# KiCad board FD-checkver.kicad_pcb (continued)
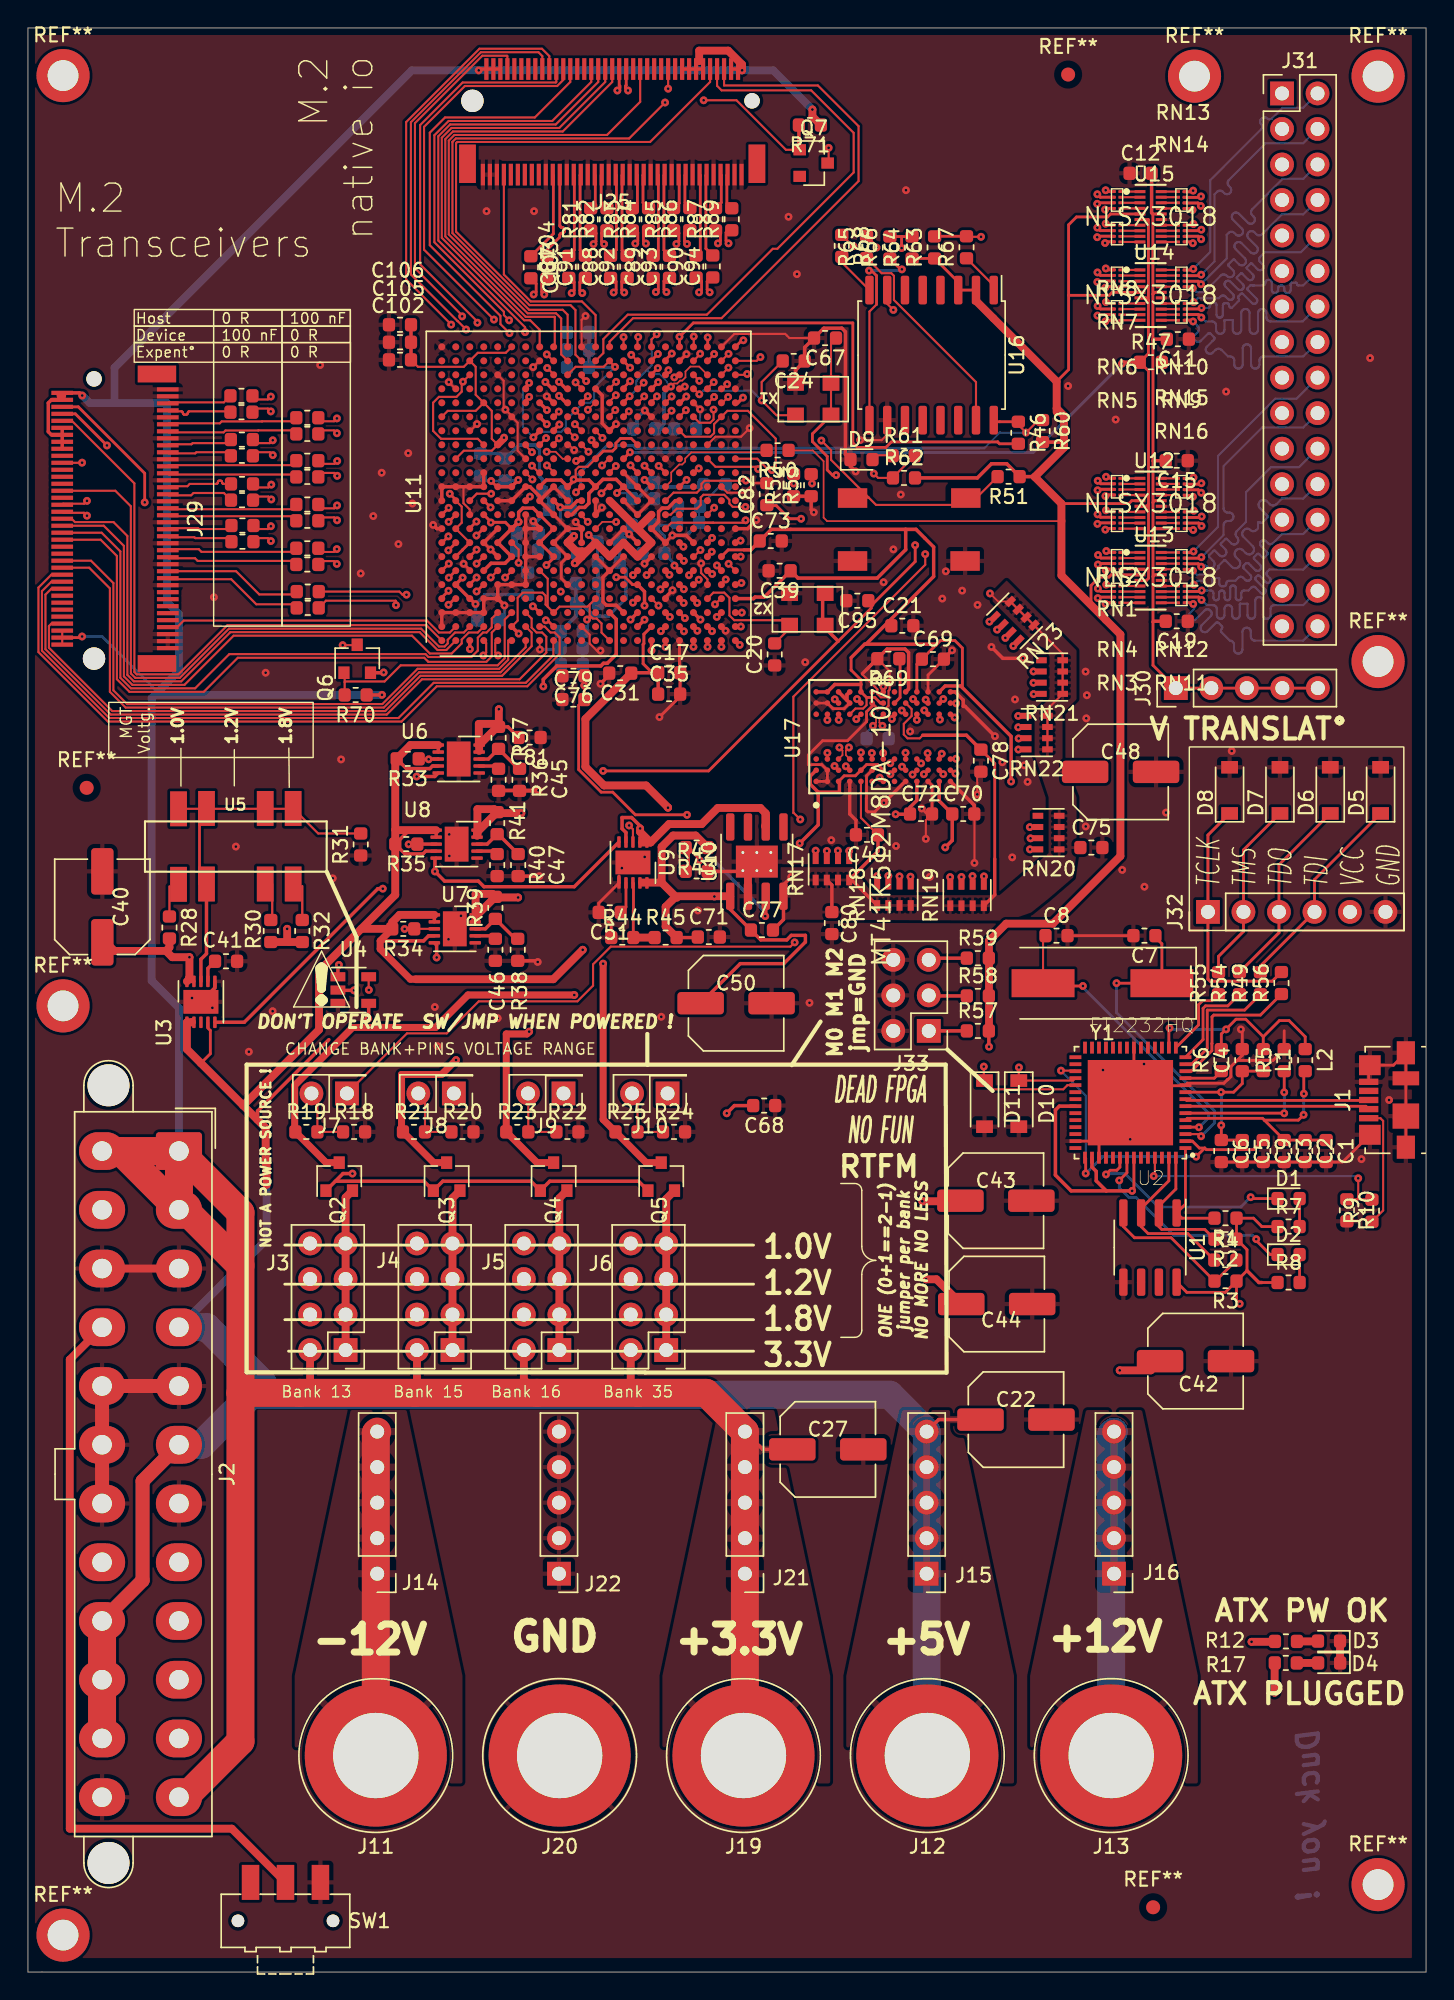
[diagram p0: board, top side]
## Routing (per net, layer and track width the routed paths; a pad name or vN(x,y) marks a point on that pad's centre or on a via; arc(x,y) is an arc through that point) (continued)
DDR_DQ3: length 33.8
  Top w0.15: v1(48.93,95.87) U11.Y2 ; U17.C8 v1(57.71,91)
  In2.Cu_SigDDR w0.15: v1(57.71,91) 56.81,91 56.77,91.01 56.72,91.02 56.69,91.04 56.65,91.08 56.63,91.11 56.62,91.16 56.61,91.2 56.61,91.69 56.6,91.74 56.59,91.78 56.57,91.82 56.53,91.85 56.5,91.87 56.45,91.89 56.41,91.89 56.37,91.89 56.32,91.87 56.29,91.85 56.25,91.82 56.23,91.78 56.22,91.74 56.21,91.69 56.21,90.9 56.21,90.88 56.2,90.86 56.19,90.84 56.17,90.83 56.15,90.81 56.13,90.81 56.11,90.81 55.91,90.81 55.89,90.81 55.87,90.81 55.85,90.83 55.83,90.84 55.82,90.86 55.81,90.88 55.81,90.9 55.81,91.69 55.8,91.74 55.79,91.78 55.77,91.82 55.73,91.85 55.7,91.87 55.65,91.89 55.61,91.89 55.57,91.89 55.52,91.87 55.49,91.85 55.45,91.82 55.43,91.78 55.42,91.74 55.41,91.69 55.41,90.9 55.41,90.88 55.4,90.86 55.39,90.84 55.37,90.83 55.35,90.81 55.33,90.81 55.31,90.81 55.11,90.81 55.09,90.81 55.07,90.81 55.05,90.83 55.03,90.84 55.02,90.86 55.01,90.88 55.01,90.9 55.01,91.69 55,91.74 54.99,91.78 54.97,91.82 54.93,91.85 54.9,91.87 54.85,91.89 54.81,91.89 54.77,91.89 54.72,91.87 54.69,91.85 54.65,91.82 54.63,91.78 54.62,91.74 54.61,91.69 54.61,91 54.61,91 54.61,90.9 54.6,90.88 54.6,90.86 54.59,90.84 54.57,90.83 54.55,90.81 54.53,90.81 54.51,90.81 54.3,90.81 54.28,90.81 54.26,90.81 54.24,90.83 54.23,90.84 54.22,90.86 54.21,90.88 54.2,90.92 54.2,90.94 54.19,90.96 54.17,90.98 54.15,90.99 54.13,91 54.11,91 54.06,91 53.69,91.37 53.66,91.4 53.62,91.42 53.57,91.43 53.53,91.43 53.48,91.42 53.44,91.4 53.41,91.37 53.09,91.05 53.06,91.03 53.02,91.01 52.97,91 52.93,91 52.89,91.01 52.85,91.03 52.81,91.05 52.78,91.09 52.76,91.13 52.75,91.17 52.75,91.22 52.76,91.26 52.78,91.3 52.81,91.34 53.76,92.28 53.79,92.32 53.8,92.36 53.81,92.4 53.81,92.45 53.8,92.49 53.79,92.53 53.76,92.57 53.72,92.6 53.68,92.62 53.64,92.62 53.59,92.62 53.55,92.62 53.51,92.6 53.47,92.57 52.53,91.62 52.49,91.59 52.45,91.57 52.41,91.56 52.36,91.56 52.32,91.57 52.28,91.59 52.24,91.62 52.22,91.66 52.2,91.7 52.19,91.74 52.19,91.78 52.2,91.83 52.22,91.87 52.24,91.9 53.19,92.85 53.22,92.89 53.24,92.93 53.25,92.97 53.25,93.01 53.24,93.06 53.22,93.1 53.19,93.13 53.16,93.16 53.12,93.18 53.07,93.19 53.03,93.19 52.98,93.18 52.94,93.16 52.91,93.13 51.96,92.19 51.93,92.16 51.89,92.14 51.84,92.13 51.8,92.13 51.75,92.14 51.71,92.16 51.68,92.19 51.65,92.22 51.63,92.26 51.62,92.31 51.62,92.35 51.63,92.39 51.65,92.43 51.68,92.47 52.63,93.42 52.65,93.45 52.67,93.49 52.68,93.54 52.68,93.58 52.67,93.62 52.65,93.66 52.63,93.7 52.59,93.73 52.55,93.75 52.51,93.76 52.46,93.76 52.42,93.75 52.38,93.73 52.34,93.7 51.4,92.75 51.36,92.72 51.32,92.7 51.28,92.69 51.23,92.69 51.19,92.7 51.15,92.72 51.11,92.75 51.09,92.79 51.07,92.83 51.06,92.87 51.06,92.92 51.07,92.96 51.09,93 51.11,93.03 52.06,93.98 52.09,94.02 52.11,94.06 52.12,94.1 52.12,94.15 52.11,94.19 52.09,94.23 52.06,94.26 52.03,94.29 51.99,94.31 51.94,94.32 51.9,94.32 51.85,94.31 51.81,94.29 51.78,94.26 50.83,93.32 50.8,93.29 50.76,93.27 50.71,93.26 50.67,93.26 50.62,93.27 50.58,93.29 50.55,93.32 50.52,93.35 50.5,93.39 50.49,93.44 50.49,93.48 50.5,93.53 50.52,93.57 50.55,93.6 51.07,94.13 51.09,94.14 51.1,94.16 51.1,94.18 51.1,94.2 51.1,94.23 51.09,94.25 51.07,94.26 50.93,94.41 50.91,94.42 50.89,94.43 50.87,94.44 50.85,94.44 50.83,94.43 50.81,94.42 50.79,94.41 50.26,93.88 50.23,93.86 50.19,93.84 50.15,93.83 50.1,93.83 50.06,93.84 50.02,93.86 49.98,93.88 49.95,93.92 49.93,93.96 49.92,94 49.92,94.05 49.93,94.09 49.95,94.13 49.98,94.17 50.47,94.66 50.48,94.67 50.49,94.68 50.49,94.69 50.49,94.7 50.49,94.71 50.48,94.72 50.47,94.73 50.26,94.94 50.25,94.95 50.24,94.95 50.23,94.95 50.22,94.95 50.21,94.95 50.2,94.95 50.18,94.93 50.17,94.93 50.16,94.93 50.15,94.93 50.14,94.93 50.13,94.93 50.12,94.94 50.1,94.96 50.09,94.99 50.08,95.01 50.08,95.04 50.09,95.07 50.1,95.09 50.13,95.14 50.15,95.16 50.15,95.19 50.15,95.22 50.15,95.24 50.13,95.27 50.12,95.29 50.01,95.4 49.99,95.42 49.96,95.43 49.94,95.43 49.91,95.43 49.88,95.43 49.86,95.42 49.84,95.4 49.75,95.31 49.75,95.31 49.68,95.24 49.66,95.23 49.64,95.22 49.62,95.22 49.6,95.22 49.58,95.22 49.56,95.23 49.54,95.24 49.39,95.39 49.38,95.41 49.37,95.43 49.37,95.45 49.37,95.47 49.37,95.49 49.38,95.51 49.41,95.54 49.42,95.56 49.42,95.59 49.42,95.61 49.42,95.63 49.41,95.65 49.4,95.67 49.19,95.87 v1(48.93,95.87)
DDR_DQ4: length 35
  Top w0.15: U17.E3 v1(59.58,87.2)
  In4.Cu_SigDDR w0.15: v1(46.92,95.86) 46.84,95.86 46.53,95.55 46.53,95.47 46.53,95.44 46.52,95.42 46.5,95.39 46.48,95.38 46.46,95.36 46.44,95.35 46.38,95.35 46.36,95.34 46.33,95.32 46.32,95.3 46.3,95.28 46.29,95.26 46.29,95.23 46.29,95.12 46.29,95.09 46.3,95.07 46.32,95.04 46.33,95.03 46.36,95.01 46.38,95 46.41,95 46.53,95 46.53,95 46.95,95 46.98,94.99 47.02,94.98 47.06,94.96 47.08,94.93 47.1,94.9 47.12,94.86 47.12,94.82 47.12,94.78 47.1,94.74 47.08,94.71 47.06,94.68 47.02,94.66 46.98,94.65 46.95,94.64 46.43,94.64 46.41,94.64 46.39,94.64 46.37,94.62 46.36,94.61 46.35,94.59 46.34,94.57 46.34,94.55 46.34,94.39 46.34,94.37 46.35,94.35 46.36,94.33 46.37,94.32 46.39,94.3 46.41,94.3 46.43,94.3 47,94.3 47.03,94.29 47.07,94.28 47.11,94.26 47.13,94.23 47.15,94.2 47.17,94.16 47.17,94.12 47.17,94.08 47.15,94.04 47.13,94.01 47.11,93.98 47.07,93.96 47.03,93.95 47,93.94 45.91,93.94 45.88,93.94 45.84,93.93 45.8,93.91 45.78,93.88 45.76,93.85 45.74,93.81 45.74,93.77 45.74,93.73 45.76,93.69 45.78,93.66 45.8,93.63 45.84,93.61 45.88,93.6 45.91,93.59 46.8,93.59 46.83,93.59 46.87,93.58 46.91,93.56 46.93,93.53 46.95,93.5 46.97,93.46 46.97,93.42 46.97,93.38 46.95,93.34 46.93,93.31 46.91,93.28 46.87,93.26 46.83,93.25 46.8,93.25 45.81,93.25 45.78,93.24 45.74,93.23 45.7,93.21 45.68,93.18 45.66,93.15 45.64,93.11 45.64,93.07 45.64,93.03 45.66,92.99 45.68,92.96 45.7,92.93 45.74,92.91 45.78,92.9 45.81,92.89 46.35,92.89 46.39,92.89 46.43,92.88 46.46,92.86 46.49,92.83 46.51,92.8 46.53,92.76 46.53,92.72 46.53,92.68 46.51,92.64 46.49,92.61 46.46,92.58 46.43,92.56 46.39,92.55 46.35,92.55 46.01,92.55 45.98,92.54 45.94,92.53 45.9,92.51 45.88,92.48 45.86,92.45 45.84,92.41 45.84,92.37 45.84,92.33 45.86,92.29 45.88,92.26 45.9,92.23 45.94,92.21 45.98,92.2 46.01,92.19 46.65,92.19 46.68,92.19 46.7,92.18 46.73,92.17 46.74,92.15 46.76,92.13 46.77,92.1 46.77,92.07 46.77,91.97 46.77,91.94 46.76,91.91 46.74,91.89 46.73,91.87 46.7,91.86 46.68,91.85 46.62,91.84 46.6,91.83 46.58,91.82 46.56,91.8 46.54,91.78 46.53,91.75 46.53,91.72 46.53,91.18 46.55,91.15 46.56,91.13 46.57,91.09 46.57,91.06 46.56,91.03 46.55,91 46.51,90.95 46.5,90.92 46.49,90.89 46.49,90.86 46.5,90.82 46.51,90.79 46.53,90.77 46.57,90.73 46.6,90.71 46.63,90.69 46.66,90.69 46.69,90.69 46.72,90.69 46.75,90.71 46.78,90.73 46.88,90.83 46.88,90.83 47.14,91.09 47.17,91.11 47.21,91.13 47.25,91.14 47.29,91.14 47.32,91.13 47.36,91.11 47.39,91.09 47.41,91.05 47.43,91.02 47.44,90.98 47.44,90.94 47.43,90.9 47.41,90.87 47.39,90.84 47.03,90.48 47.01,90.45 46.99,90.42 46.99,90.39 46.99,90.36 46.99,90.33 47.01,90.3 47.03,90.27 47.07,90.23 47.1,90.21 47.12,90.19 47.16,90.19 47.19,90.19 47.22,90.19 47.25,90.21 47.3,90.25 47.33,90.26 47.36,90.27 47.39,90.27 47.43,90.26 47.46,90.25 47.48,90.23 47.48,90.23 47.5,90.2 47.52,90.17 47.53,90.14 47.53,90.11 47.52,90.07 47.5,90.05 47.46,89.99 47.45,89.96 47.44,89.93 47.44,89.9 47.45,89.87 47.46,89.84 47.48,89.81 47.53,89.77 47.55,89.75 47.58,89.74 47.61,89.73 47.65,89.73 47.68,89.74 47.71,89.75 47.76,89.79 47.79,89.81 47.82,89.81 47.85,89.81 47.88,89.81 47.91,89.79 47.94,89.77 47.98,89.73 48,89.7 48.01,89.68 48.02,89.64 48.02,89.61 48.01,89.58 48,89.55 47.96,89.5 47.95,89.47 47.94,89.44 47.94,89.41 47.95,89.37 47.96,89.34 47.98,89.32 48.02,89.28 48.05,89.26 48.08,89.24 48.11,89.24 48.14,89.24 48.17,89.24 48.2,89.26 48.25,89.3 48.28,89.31 48.31,89.32 48.35,89.32 48.38,89.31 48.41,89.3 48.43,89.28 48.47,89.24 48.49,89.22 48.5,89.2 48.5,89.18 48.5,89.16 48.5,89.14 48.49,89.12 48.46,89.08 48.45,89.06 48.45,89.04 48.45,89.02 48.45,89 48.46,88.98 48.47,88.97 48.59,88.85 48.6,88.84 48.62,88.83 48.64,88.83 48.67,88.83 48.69,88.83 48.71,88.84 48.74,88.87 48.76,88.88 48.78,88.88 48.8,88.88 48.82,88.88 48.84,88.87 48.86,88.85 49.7,88.01 49.74,88 49.78,87.99 49.81,87.97 49.84,87.94 49.86,87.91 49.88,87.87 49.88,87.83 49.88,87.59 49.88,87.55 49.9,87.51 49.92,87.48 49.95,87.45 49.98,87.43 50.02,87.42 50.05,87.41 50.09,87.42 50.13,87.43 50.16,87.45 50.19,87.48 50.21,87.51 50.23,87.55 50.23,87.59 50.23,88.1 50.23,88.12 50.24,88.14 50.25,88.16 50.27,88.18 50.28,88.19 50.3,88.19 50.33,88.2 50.48,88.2 50.51,88.19 50.53,88.19 50.54,88.18 50.56,88.16 50.57,88.14 50.58,88.12 50.58,88.1 50.58,87.74 50.58,87.7 50.6,87.66 50.62,87.63 50.65,87.6 50.68,87.58 50.72,87.57 50.75,87.56 50.79,87.57 50.83,87.58 50.86,87.6 50.89,87.63 50.91,87.66 50.93,87.7 50.93,87.74 50.93,87.83 50.93,87.87 50.95,87.91 50.97,87.94 51,87.97 51.03,87.99 51.07,88 51.1,88.01 51.14,88 51.18,87.99 51.21,87.97 51.24,87.94 51.26,87.91 51.28,87.87 51.28,87.83 51.28,87.64 51.28,87.6 51.3,87.56 51.32,87.53 51.35,87.5 51.38,87.48 51.42,87.47 51.45,87.46 51.49,87.47 51.53,87.48 51.56,87.5 51.59,87.53 51.61,87.56 51.63,87.6 51.63,87.64 51.63,87.83 51.63,87.87 51.65,87.91 51.67,87.94 51.7,87.97 51.73,87.99 51.77,88 51.8,88.01 51.84,88 51.88,87.99 51.91,87.97 51.94,87.94 51.96,87.91 51.98,87.87 51.98,87.83 51.98,87.74 51.98,87.7 52,87.66 52.02,87.63 52.05,87.6 52.08,87.58 52.12,87.57 52.15,87.56 52.19,87.57 52.23,87.58 52.26,87.6 52.29,87.63 52.31,87.66 52.33,87.7 52.33,87.74 52.33,87.83 52.33,87.87 52.35,87.91 52.37,87.94 52.4,87.97 52.43,87.99 52.47,88 52.5,88.01 52.54,88 52.58,87.99 52.61,87.97 52.64,87.94 52.66,87.91 52.68,87.87 52.68,87.83 52.68,87.59 52.68,87.55 52.7,87.51 52.72,87.48 52.75,87.45 52.78,87.43 52.82,87.42 52.85,87.41 52.89,87.42 52.93,87.43 52.96,87.45 52.99,87.48 53.01,87.51 53.03,87.55 53.03,87.59 53.03,87.83 53.03,87.87 53.05,87.91 53.07,87.94 53.1,87.97 53.13,87.99 53.17,88 53.2,88.01 59.17,88.01 59.58,87.6 v1(59.58,87.2)
DDR_DQ5: length 32.6
  Top w0.15: v1(48.61,94.75) 48.61,95.19 ; 59.58,90.74 59.28,91.04
  In2.Cu_SigDDR w0.15: v1(48.61,94.75) 48.61,94.65 48.77,94.49 48.79,94.46 48.81,94.43 48.81,94.4 48.81,94.37 48.81,94.33 48.79,94.3 48.77,94.28 48.35,93.85 48.33,93.83 48.31,93.8 48.3,93.76 48.3,93.73 48.31,93.7 48.33,93.67 48.35,93.64 48.37,93.62 48.4,93.61 48.44,93.6 48.47,93.6 48.5,93.61 48.53,93.62 48.56,93.64 49.23,94.31 49.26,94.33 49.29,94.35 49.32,94.36 49.35,94.36 49.38,94.35 49.41,94.33 49.44,94.31 49.46,94.29 49.48,94.26 49.48,94.22 49.48,94.19 49.48,94.16 49.46,94.13 49.44,94.1 48.7,93.36 48.68,93.33 48.66,93.3 48.66,93.27 48.66,93.24 48.66,93.2 48.68,93.17 48.7,93.15 48.73,93.13 48.76,93.11 48.79,93.1 48.82,93.1 48.86,93.11 48.89,93.13 48.91,93.15 49.57,93.8 49.58,93.81 49.59,93.82 49.61,93.82 49.63,93.82 49.64,93.82 49.66,93.81 49.67,93.8 49.78,93.69 49.79,93.68 49.79,93.67 49.8,93.65 49.8,93.63 49.79,93.62 49.79,93.6 49.78,93.59 49.02,92.83 49,92.8 48.98,92.77 48.98,92.74 48.98,92.71 48.98,92.67 49,92.64 49.02,92.62 49.04,92.6 49.07,92.58 49.11,92.57 49.14,92.57 49.17,92.58 49.2,92.6 49.23,92.62 50.01,93.39 50.02,93.41 50.04,93.42 50.07,93.42 50.09,93.42 50.11,93.42 50.13,93.41 50.15,93.39 50.22,93.32 50.23,93.3 50.24,93.28 50.25,93.26 50.25,93.24 50.24,93.22 50.23,93.2 50.22,93.18 49.44,92.4 49.42,92.38 49.41,92.35 49.4,92.32 49.4,92.28 49.41,92.25 49.42,92.22 49.44,92.19 49.47,92.17 49.5,92.16 49.53,92.15 49.57,92.15 49.6,92.16 49.63,92.17 49.65,92.19 50.45,92.99 50.47,93 50.5,93.02 50.52,93.02 50.55,93.02 50.58,93.02 50.6,93 50.63,92.99 50.66,92.95 50.68,92.93 50.69,92.9 50.7,92.88 50.7,92.85 50.69,92.82 50.68,92.8 50.66,92.77 49.87,91.98 49.85,91.95 49.83,91.92 49.82,91.89 49.82,91.86 49.83,91.82 49.85,91.79 49.87,91.77 49.89,91.75 49.92,91.73 49.96,91.73 49.99,91.73 50.02,91.73 50.05,91.75 50.08,91.77 50.84,92.53 50.85,92.54 50.87,92.55 50.88,92.55 50.9,92.55 50.92,92.55 50.93,92.54 50.94,92.53 51.05,92.42 51.06,92.41 51.07,92.39 51.07,92.38 51.07,92.36 51.07,92.34 51.06,92.33 51.05,92.32 50.29,91.56 50.27,91.53 50.26,91.5 50.25,91.47 50.25,91.43 50.26,91.4 50.27,91.37 50.29,91.34 50.32,91.32 50.35,91.31 50.38,91.3 50.41,91.3 50.45,91.31 50.48,91.32 50.5,91.34 51.26,92.1 51.28,92.11 51.29,92.12 51.31,92.12 51.32,92.12 51.34,92.12 51.35,92.11 51.37,92.1 51.47,92 51.48,91.98 51.49,91.97 51.5,91.95 51.5,91.94 51.49,91.92 51.48,91.9 51.47,91.89 50.72,91.13 50.69,91.11 50.68,91.08 50.67,91.04 50.67,91.01 50.68,90.98 50.69,90.95 50.72,90.92 50.74,90.9 50.77,90.88 50.8,90.88 50.84,90.88 50.87,90.88 50.9,90.9 50.93,90.92 51.7,91.7 51.72,91.71 51.74,91.72 51.76,91.73 51.79,91.73 51.81,91.72 51.83,91.71 51.85,91.7 51.92,91.63 51.93,91.61 51.94,91.59 51.94,91.57 51.94,91.54 51.94,91.52 51.93,91.5 51.9,91.47 51.89,91.45 51.89,91.43 51.89,91.4 51.89,91.38 51.9,91.36 51.92,91.34 52.17,91.09 52.4,91.09 52.94,90.55 52.97,90.55 52.99,90.56 53.02,90.58 53.04,90.6 53.05,90.62 53.06,90.65 53.07,90.7 53.08,90.73 53.09,90.75 53.11,90.77 53.14,90.79 53.16,90.8 53.19,90.8 53.24,90.8 53.27,90.8 53.29,90.79 53.32,90.77 53.34,90.75 53.35,90.73 53.36,90.7 53.36,90.67 53.36,90.55 53.37,90.55 53.37,90.45 53.37,90.43 53.37,90.41 53.39,90.39 53.4,90.37 53.42,90.36 53.44,90.35 53.46,90.35 53.57,90.35 53.59,90.35 53.61,90.36 53.63,90.37 53.64,90.39 53.66,90.41 53.66,90.43 53.67,90.45 53.67,90.67 53.67,90.7 53.68,90.73 53.69,90.75 53.71,90.77 53.74,90.79 53.76,90.8 53.79,90.8 53.84,90.8 53.87,90.8 53.89,90.79 53.92,90.77 53.94,90.75 53.95,90.73 53.96,90.7 53.97,90.67 53.97,90.45 53.97,90.43 53.97,90.41 53.99,90.39 54,90.37 54.02,90.36 54.04,90.35 54.06,90.35 54.17,90.35 54.19,90.35 54.21,90.36 54.23,90.37 54.24,90.39 54.26,90.41 54.26,90.43 54.27,90.47 54.27,90.49 54.29,90.51 54.3,90.53 54.32,90.54 54.34,90.55 54.37,90.55 54.39,90.55 54.41,90.54 54.43,90.53 54.44,90.51 54.45,90.49 54.46,90.47 54.47,90.43 54.47,90.41 54.49,90.39 54.5,90.37 54.52,90.36 54.54,90.35 54.56,90.35 54.67,90.35 54.69,90.35 54.71,90.36 54.73,90.37 54.74,90.39 54.75,90.41 54.76,90.43 54.77,90.47 54.77,90.49 54.79,90.51 54.8,90.53 54.82,90.54 54.84,90.55 54.86,90.55 54.97,90.55 54.99,90.55 55.01,90.54 55.03,90.53 55.04,90.51 55.05,90.49 55.06,90.47 55.07,90.43 55.07,90.41 55.09,90.39 55.1,90.37 55.12,90.36 55.14,90.35 55.16,90.35 55.27,90.35 55.29,90.35 55.31,90.36 55.33,90.37 55.34,90.39 55.35,90.41 55.36,90.43 55.37,90.47 55.37,90.49 55.39,90.51 55.4,90.53 55.42,90.54 55.44,90.55 55.46,90.55 55.57,90.55 55.59,90.55 55.61,90.54 55.63,90.53 55.64,90.51 55.65,90.49 55.66,90.47 55.67,90.43 55.67,90.41 55.69,90.39 55.7,90.37 55.72,90.36 55.74,90.35 55.76,90.35 55.87,90.35 55.89,90.35 55.91,90.36 55.93,90.37 55.94,90.39 55.95,90.41 55.96,90.43 55.97,90.47 55.97,90.49 55.99,90.51 56,90.53 56.02,90.54 56.04,90.55 56.06,90.55 56.17,90.55 56.19,90.55 56.21,90.54 56.23,90.53 56.24,90.51 56.25,90.49 56.26,90.47 56.27,90.43 56.27,90.41 56.29,90.39 56.3,90.37 56.32,90.36 56.34,90.35 56.36,90.35 56.47,90.35 56.49,90.35 56.51,90.36 56.53,90.37 56.54,90.39 56.55,90.41 56.56,90.43 56.56,90.45 56.56,90.55 56.57,90.55 56.57,90.65 56.57,90.67 56.57,90.69 56.59,90.71 56.6,90.73 56.62,90.74 56.64,90.75 56.66,90.75 56.77,90.75 56.79,90.75 56.81,90.74 56.83,90.73 56.84,90.71 56.86,90.69 56.86,90.67 56.87,90.63 56.87,90.61 56.89,90.59 56.9,90.57 56.92,90.56 56.94,90.55 56.96,90.55 58.79,90.55 59.28,91.04
  vias: v1(59.3,91.02)
DDR_DQ6: length 35.6
  Top w0.15: 58.78,85.95 58.5,86.23 ; U11.U1 v1(45.6,94.74)
  In4.Cu_SigDDR w0.15: v1(45.6,94.74) 44.54,93.68 44.54,92.81 44.53,92.74 44.51,92.69 44.51,91.85 44.88,91.49 44.85,91.46 44.85,90.92 45.87,89.9 45.9,89.86 45.92,89.82 45.93,89.77 45.93,89.72 45.92,89.67 45.9,89.62 45.87,89.58 45.49,89.21 45.46,89.17 45.44,89.12 45.43,89.07 45.43,89.02 45.44,88.97 45.46,88.93 45.49,88.89 45.53,88.86 45.58,88.84 45.63,88.82 45.68,88.82 45.72,88.84 45.77,88.86 45.81,88.89 46.19,89.27 46.23,89.3 46.27,89.32 46.32,89.33 46.37,89.33 46.42,89.32 46.47,89.3 46.5,89.27 46.54,89.23 46.56,89.18 46.57,89.13 46.57,89.08 46.56,89.03 46.54,88.99 46.5,88.95 46.16,88.61 46.13,88.57 46.11,88.52 46.1,88.47 46.1,88.42 46.11,88.37 46.13,88.33 46.16,88.29 46.2,88.26 46.25,88.23 46.3,88.22 46.35,88.22 46.4,88.23 46.44,88.26 46.48,88.29 46.82,88.63 46.86,88.66 46.91,88.68 46.96,88.69 47.01,88.69 47.06,88.68 47.1,88.66 47.14,88.63 47.17,88.59 47.19,88.54 47.21,88.5 47.21,88.44 47.19,88.4 47.17,88.35 47.14,88.31 46.84,88.01 46.8,87.97 46.78,87.92 46.77,87.87 46.77,87.82 46.78,87.77 46.8,87.73 46.84,87.69 46.87,87.66 46.92,87.63 46.97,87.62 47.02,87.62 47.07,87.63 47.11,87.66 47.15,87.69 47.46,87.99 47.5,88.02 47.54,88.05 47.59,88.06 47.64,88.06 47.69,88.05 47.74,88.02 47.78,87.99 47.81,87.95 47.83,87.91 47.84,87.86 47.84,87.81 47.83,87.76 47.81,87.71 47.78,87.67 47.47,87.37 47.44,87.33 47.42,87.28 47.41,87.23 47.41,87.18 47.42,87.14 47.44,87.09 47.47,87.05 47.51,87.02 47.56,87 47.61,86.99 47.66,86.99 47.7,87 47.75,87.02 47.79,87.05 48.1,87.36 48.13,87.39 48.18,87.41 48.23,87.42 48.28,87.42 48.33,87.41 48.37,87.39 48.41,87.36 48.45,87.32 48.47,87.27 48.48,87.22 48.48,87.17 48.47,87.12 48.45,87.08 48.41,87.04 48.04,86.66 48.01,86.62 47.98,86.58 47.97,86.53 47.97,86.48 47.98,86.43 48.01,86.38 48.04,86.34 48.08,86.31 48.12,86.29 48.17,86.28 48.22,86.28 48.27,86.29 48.32,86.31 48.36,86.34 48.73,86.72 48.77,86.75 48.82,86.77 48.87,86.78 48.92,86.78 48.97,86.77 49.01,86.75 49.05,86.72 50.38,86.72 50.43,86.71 50.48,86.7 50.52,86.67 50.56,86.64 50.58,86.59 50.6,86.55 50.61,86.49 50.61,86.31 50.61,86.26 50.63,86.21 50.65,86.17 50.69,86.14 50.73,86.11 50.78,86.09 50.83,86.09 50.88,86.09 50.93,86.11 50.97,86.14 51.01,86.17 51.03,86.21 51.05,86.26 51.06,86.31 51.06,86.49 51.06,86.55 51.08,86.59 51.1,86.64 51.14,86.67 51.18,86.7 51.23,86.71 51.28,86.72 51.33,86.71 51.38,86.7 51.42,86.67 51.46,86.64 51.48,86.59 51.5,86.55 51.51,86.49 51.51,86.21 51.51,86.16 51.53,86.11 51.55,86.07 51.59,86.04 51.63,86.01 51.68,85.99 51.73,85.99 51.78,85.99 51.83,86.01 51.87,86.04 51.91,86.07 51.93,86.11 51.95,86.16 51.96,86.21 51.96,86.49 51.96,86.55 51.98,86.59 52,86.64 52.04,86.67 52.08,86.7 52.13,86.71 52.18,86.72 52.23,86.71 52.28,86.7 52.32,86.67 52.36,86.64 52.38,86.59 52.4,86.55 52.41,86.49 52.41,86.21 52.41,86.16 52.43,86.11 52.45,86.07 52.49,86.04 52.53,86.01 52.58,85.99 52.63,85.99 52.68,85.99 52.73,86.01 52.77,86.04 52.81,86.07 52.83,86.11 52.85,86.16 52.86,86.21 52.86,86.49 52.86,86.55 52.88,86.59 52.9,86.64 52.94,86.67 52.98,86.7 53.03,86.71 53.08,86.72 53.13,86.71 53.18,86.7 53.22,86.67 53.26,86.64 53.28,86.59 53.3,86.55 53.31,86.49 53.31,86.21 53.31,86.16 53.33,86.11 53.35,86.07 53.39,86.04 53.43,86.01 53.48,85.99 53.53,85.99 53.58,85.99 53.63,86.01 53.67,86.04 53.71,86.07 53.73,86.11 53.75,86.16 53.76,86.21 53.76,86.49 53.76,86.55 53.78,86.59 53.8,86.64 53.84,86.67 53.88,86.7 53.93,86.71 53.98,86.72 54.03,86.71 54.08,86.7 54.12,86.67 54.16,86.64 54.18,86.59 54.2,86.55 54.21,86.49 54.21,86.21 54.21,86.16 54.23,86.11 54.25,86.07 54.29,86.04 54.33,86.01 54.38,85.99 54.43,85.99 54.48,85.99 54.53,86.01 54.57,86.04 54.61,86.07 54.63,86.11 54.65,86.16 54.66,86.21 54.66,86.49 54.66,86.55 54.68,86.59 54.7,86.64 54.74,86.67 54.78,86.7 54.83,86.71 54.88,86.72 54.93,86.71 54.98,86.7 55.02,86.67 55.06,86.64 55.08,86.59 55.1,86.55 55.11,86.49 55.11,86.21 55.11,86.16 55.13,86.11 55.15,86.07 55.19,86.04 55.23,86.01 55.28,85.99 55.33,85.99 55.38,85.99 55.43,86.01 55.47,86.04 55.51,86.07 55.53,86.11 55.55,86.16 55.56,86.21 55.56,86.49 55.56,86.55 55.58,86.59 55.6,86.64 55.64,86.67 55.68,86.7 55.73,86.71 55.78,86.72 55.83,86.71 55.88,86.7 55.92,86.67 55.96,86.64 55.98,86.59 56,86.55 56.01,86.49 56.01,86.21 56.01,86.16 56.03,86.11 56.05,86.07 56.09,86.04 56.13,86.01 56.18,85.99 56.23,85.99 56.28,85.99 56.33,86.01 56.37,86.04 56.41,86.07 56.43,86.11 56.45,86.16 56.46,86.21 56.46,86.49 56.46,86.55 56.48,86.59 56.5,86.64 56.54,86.67 56.58,86.7 56.63,86.71 56.68,86.72 56.95,86.72 56.97,86.7 58.03,86.7 58.5,86.23
  vias: v1(58.5,86.21)
DDR_DQ7: length 33.6
  Top w0.15: v1(47.88,95.9) 47.88,95.92 U11.W2 ; 59.56,89.93 59.28,89.65
  In2.Cu_SigDDR w0.15: 59.24,89.58 58.6,90.22 56.75,90.22 56.59,90.06 55.71,90.06 55.68,90.06 55.65,90.05 55.62,90.03 55.59,90 55.58,89.98 55.57,89.94 55.56,89.91 55.56,89.86 55.56,89.83 55.55,89.8 55.53,89.77 55.5,89.74 55.48,89.73 55.44,89.71 55.41,89.71 55.38,89.71 55.35,89.73 55.32,89.74 55.29,89.77 55.28,89.8 55.27,89.83 55.26,89.86 55.26,89.91 55.26,89.94 55.25,89.98 55.23,90 55.2,90.03 55.18,90.05 55.14,90.06 55.11,90.06 54.91,90.06 54.9,90.06 54.89,90.06 54.88,90.05 54.87,90.04 54.87,90.03 54.86,90.02 54.86,90 54.86,89.99 54.85,89.98 54.84,89.97 54.83,89.96 54.82,89.96 54.81,89.96 54.61,89.96 54.6,89.96 54.59,89.96 54.58,89.97 54.57,89.98 54.57,89.99 54.56,90 54.56,90.02 54.56,90.03 54.55,90.04 54.54,90.05 54.53,90.06 54.52,90.06 54.51,90.06 54.11,90.06 54.09,90.06 54.07,90.05 54.05,90.04 54.03,90.02 54.02,90 54.01,89.98 54.01,89.94 54,89.92 53.99,89.9 53.97,89.88 53.95,89.87 53.93,89.86 53.91,89.86 53.81,89.86 53.79,89.86 53.77,89.87 53.75,89.88 53.73,89.9 53.72,89.92 53.71,89.94 53.71,89.98 53.7,90 53.69,90.02 53.67,90.04 53.65,90.05 53.63,90.06 53.61,90.06 53.58,90.06 53.55,90.05 53.52,90.03 53.49,90 53.48,89.98 53.47,89.94 53.46,89.91 53.46,89.86 53.46,89.83 53.45,89.8 53.43,89.77 53.4,89.74 53.38,89.73 53.34,89.71 53.31,89.71 53.28,89.71 53.25,89.73 53.22,89.74 53.19,89.77 53.18,89.8 53.17,89.83 53.16,89.86 53.16,90.16 53.16,90.18 53.15,90.2 53.14,90.22 53.12,90.24 53.1,90.25 53.08,90.26 53.06,90.26 52.96,90.26 52.94,90.26 52.92,90.25 52.9,90.24 52.88,90.22 52.87,90.2 52.86,90.18 52.86,90.16 52.86,89.86 52.86,89.83 52.85,89.8 52.83,89.77 52.8,89.74 52.78,89.73 52.74,89.71 52.71,89.71 52.68,89.71 52.65,89.73 52.62,89.74 52.59,89.77 52.58,89.8 52.57,89.83 52.56,89.86 52.56,90.51 52.56,90.54 52.55,90.57 52.53,90.6 52.5,90.63 52.48,90.64 52.44,90.66 52.41,90.66 52.38,90.66 52.35,90.64 52.32,90.63 52.29,90.6 52.28,90.57 52.27,90.54 52.26,90.51 52.26,89.86 52.26,89.83 52.25,89.8 52.23,89.77 52.2,89.74 52.18,89.73 52.14,89.71 52.11,89.71 52.08,89.71 52.05,89.73 52.02,89.74 51.99,89.77 51.98,89.8 51.97,89.83 51.96,89.86 51.96,90.86 51.96,90.89 51.95,90.92 51.93,90.95 51.9,90.98 51.88,90.99 51.84,91.01 51.81,91.01 51.78,91.01 51.75,90.99 51.72,90.98 51.69,90.95 51.68,90.92 51.67,90.89 51.66,90.86 51.66,89.86 51.66,89.83 51.65,89.8 51.63,89.77 51.6,89.74 51.58,89.73 51.54,89.71 51.51,89.71 51.48,89.71 51.45,89.73 51.42,89.74 51.39,89.77 51.38,89.8 51.37,89.83 51.36,89.86 51.36,89.91 51.36,89.94 51.35,89.98 51.33,90 51.3,90.03 51.28,90.05 51.24,90.06 51.21,90.06 50.6,90.68 50.57,90.7 50.54,90.71 50.51,90.72 50.47,90.72 50.44,90.71 50.41,90.7 50.38,90.68 49.89,90.18 49.86,90.16 49.83,90.15 49.8,90.14 49.77,90.14 49.73,90.15 49.7,90.16 49.68,90.18 49.66,90.21 49.64,90.24 49.63,90.27 49.63,90.3 49.64,90.34 49.66,90.37 49.68,90.39 50.17,90.89 50.19,90.91 50.21,90.94 50.21,90.98 50.21,91.01 50.21,91.04 50.19,91.07 50.17,91.1 50.15,91.12 50.11,91.14 50.08,91.14 50.05,91.14 50.02,91.14 49.99,91.12 49.96,91.1 49.46,90.61 49.44,90.58 49.41,90.57 49.38,90.56 49.34,90.56 49.31,90.57 49.28,90.58 49.25,90.61 49.23,90.63 49.22,90.66 49.21,90.69 49.21,90.73 49.22,90.76 49.23,90.79 49.25,90.82 49.75,91.31 49.77,91.34 49.78,91.37 49.79,91.4 49.79,91.44 49.78,91.47 49.77,91.5 49.75,91.52 49.72,91.55 49.69,91.56 49.66,91.57 49.62,91.57 49.59,91.56 49.56,91.55 49.53,91.52 49.04,91.03 49.01,91.01 48.98,90.99 48.95,90.99 48.92,90.99 48.89,90.99 48.85,91.01 48.83,91.03 48.81,91.06 48.79,91.09 48.79,91.12 48.79,91.15 48.79,91.19 48.81,91.22 48.83,91.24 49.32,91.74 49.34,91.76 49.36,91.79 49.37,91.83 49.37,91.86 49.36,91.89 49.34,91.92 49.32,91.95 49.3,91.97 49.27,91.98 49.23,91.99 49.2,91.99 49.17,91.98 49.14,91.97 49.11,91.95 48.62,91.45 48.59,91.43 48.56,91.42 48.53,91.41 48.49,91.41 48.46,91.42 48.43,91.43 48.4,91.45 48.38,91.48 48.37,91.51 48.36,91.54 48.36,91.58 48.37,91.61 48.38,91.64 48.4,91.67 48.9,92.16 48.92,92.19 48.93,92.22 48.94,92.25 48.94,92.28 48.93,92.32 48.92,92.35 48.9,92.37 48.87,92.39 48.84,92.41 48.81,92.42 48.78,92.42 48.74,92.41 48.71,92.39 48.69,92.37 48.3,91.98 48.27,91.96 48.24,91.95 48.21,91.94 48.18,91.94 48.14,91.95 48.11,91.96 48.09,91.98 48.07,92.01 48.05,92.04 48.04,92.07 48.04,92.11 48.05,92.14 48.07,92.17 48.09,92.2 48.58,92.69 48.58,92.69 48.63,92.74 48.64,92.76 48.65,92.77 48.65,92.79 48.65,92.8 48.65,92.82 48.64,92.84 48.63,92.85 48.53,92.96 48.51,92.97 48.5,92.97 48.48,92.98 48.47,92.98 48.45,92.97 48.43,92.97 48.42,92.96 47.84,92.37 47.81,92.35 47.78,92.34 47.75,92.33 47.72,92.33 47.68,92.34 47.65,92.35 47.63,92.37 47.61,92.4 47.59,92.43 47.58,92.46 47.58,92.5 47.59,92.53 47.61,92.56 47.63,92.59 48.05,93.01 48.07,93.04 48.09,93.07 48.09,93.1 48.09,93.13 48.09,93.16 48.07,93.2 48.05,93.22 48.05,94.02 48.05,94.04 48.04,94.06 48.03,94.08 48.01,94.1 47.99,94.11 47.97,94.12 47.93,94.12 47.91,94.13 47.89,94.14 47.87,94.16 47.86,94.18 47.85,94.2 47.85,94.22 47.85,94.32 47.85,94.34 47.86,94.36 47.87,94.38 47.89,94.4 47.91,94.41 47.93,94.42 47.95,94.42 48.1,94.42 48.11,94.42 48.12,94.42 48.13,94.43 48.14,94.44 48.15,94.45 48.15,94.46 48.15,94.47 48.15,94.67 48.15,94.68 48.15,94.69 48.14,94.7 48.13,94.71 48.12,94.72 48.11,94.72 48.09,94.72 48.08,94.72 48.07,94.73 48.06,94.74 48.05,94.75 48.05,94.76 48.05,94.77 48.05,94.78 48.05,94.79 48.06,94.8 48.07,94.81 48.08,94.82 48.09,94.82 48.11,94.82 48.12,94.82 48.13,94.83 48.14,94.84 48.15,94.85 48.15,94.86 48.15,94.87 48.15,95.07 48.15,95.08 48.15,95.09 48.14,95.1 48.13,95.11 48.12,95.12 48.11,95.12 48.1,95.12 48.05,95.12 47.95,95.12 47.93,95.12 47.91,95.13 47.89,95.14 47.87,95.16 47.86,95.18 47.85,95.2 47.85,95.22 47.85,95.32 47.85,95.34 47.86,95.36 47.87,95.38 47.89,95.4 47.91,95.41 47.93,95.42 47.97,95.42 47.99,95.43 48.01,95.44 48.03,95.46 48.04,95.48 48.05,95.5 48.05,95.52 48.05,95.73 v1(47.88,95.9)
  vias: v1(59.25,89.58)
DDR_DQS_N: length 35.5
  Top w0.12: U17.D3 58.5,87.01 58.5,87.34 v1(58.72,87.56)
  Top w0.244: 43.61,96.2 v1(44.1,96.69)
  In2.Cu_SigDDR w0.12: v1(58.72,87.56) 58.11,88.17 56.06,88.17 55.97,88.16 55.88,88.13 55.81,88.08 55.74,88.01 55.69,87.94 55.66,87.85 55.65,87.76 55.65,87.25 55.65,87.21 55.63,87.18 55.62,87.15 55.59,87.12 55.56,87.11 55.53,87.09 55.49,87.09 55.45,87.09 55.42,87.11 55.39,87.12 55.36,87.15 55.35,87.18 55.33,87.21 55.33,87.25 55.33,87.76 55.32,87.85 55.29,87.94 55.24,88.01 55.17,88.08 55.1,88.13 55.01,88.16 54.92,88.17 54.86,88.17 54.77,88.16 54.68,88.13 54.61,88.08 54.54,88.01 54.49,87.94 54.46,87.85 54.45,87.76 54.45,87.25 54.45,87.21 54.43,87.18 54.42,87.15 54.39,87.12 54.36,87.11 54.33,87.09 54.29,87.09 54.25,87.09 54.22,87.11 54.19,87.12 54.16,87.15 54.15,87.18 54.13,87.21 54.13,87.25 54.13,87.76 54.12,87.85 54.09,87.94 54.04,88.01 53.97,88.08 53.9,88.13 53.81,88.16 53.72,88.17 53.66,88.17 53.57,88.16 53.48,88.13 53.41,88.08 53.34,88.01 53.29,87.94 53.26,87.85 53.25,87.76 53.25,87.25 53.25,87.21 53.23,87.18 53.22,87.15 53.19,87.12 53.16,87.11 53.13,87.09 53.09,87.09 53.05,87.09 53.02,87.11 52.99,87.12 52.96,87.15 52.95,87.18 52.93,87.21 52.93,87.25 52.93,87.76 52.92,87.85 52.89,87.94 52.84,88.01 52.77,88.08 52.7,88.13 52.61,88.16 52.52,88.17 52.46,88.17 52.37,88.16 52.28,88.13 52.21,88.08 52.14,88.01 52.09,87.94 52.06,87.85 52.05,87.76 52.05,87.25 52.05,87.21 52.03,87.18 52.02,87.15 51.99,87.12 51.96,87.11 51.93,87.09 51.89,87.09 51.85,87.09 51.82,87.11 51.79,87.12 51.76,87.15 51.75,87.18 51.73,87.21 51.73,87.25 51.73,87.76 51.72,87.85 51.69,87.94 51.64,88.01 51.57,88.08 51.5,88.13 51.41,88.16 51.32,88.17 51.26,88.17 51.17,88.16 51.08,88.13 51.01,88.08 50.94,88.01 50.89,87.94 50.86,87.85 50.85,87.76 50.85,87.25 50.85,87.21 50.83,87.18 50.82,87.15 50.79,87.12 50.76,87.11 50.73,87.09 50.69,87.09 50.65,87.09 50.62,87.11 50.59,87.12 50.56,87.15 50.55,87.18 50.53,87.21 50.53,87.25 50.53,87.76 50.52,87.85 50.49,87.94 50.44,88.01 50.37,88.08 50.3,88.13 50.21,88.16 50.12,88.17 50.06,88.17 49.97,88.16 49.88,88.13 49.81,88.08 49.74,88.01 49.69,87.94 49.66,87.85 49.65,87.76 49.65,87.25 49.65,87.21 49.63,87.18 49.62,87.15 49.59,87.12 49.56,87.11 49.53,87.09 49.49,87.09 49.45,87.09 49.42,87.11 49.39,87.12 49.36,87.15 49.35,87.18 49.33,87.21 49.33,87.25 49.33,87.76 49.32,87.85 49.29,87.94 49.24,88.01 49.17,88.08 49.1,88.13 49.01,88.16 48.92,88.17 48.89,88.17 48.87,88.17 48.84,88.18 48.82,88.19 48.81,88.21 48.8,88.23 48.79,88.25 48.78,88.28 48.78,88.44 48.78,88.52 48.75,88.59 48.71,88.66 48.65,88.72 48.58,88.76 48.5,88.79 48.42,88.8 48.27,88.8 48.19,88.79 48.11,88.76 48.04,88.72 47.98,88.66 47.94,88.59 47.91,88.52 47.9,88.44 47.9,88.28 47.9,88.25 47.89,88.23 47.88,88.21 47.87,88.19 47.85,88.18 47.82,88.17 47.8,88.17 45.23,88.17 43.9,89.5 43.9,96.49 v1(44.1,96.69)